# KiCad board karabas-pro-revF.kicad_pcb (continued)
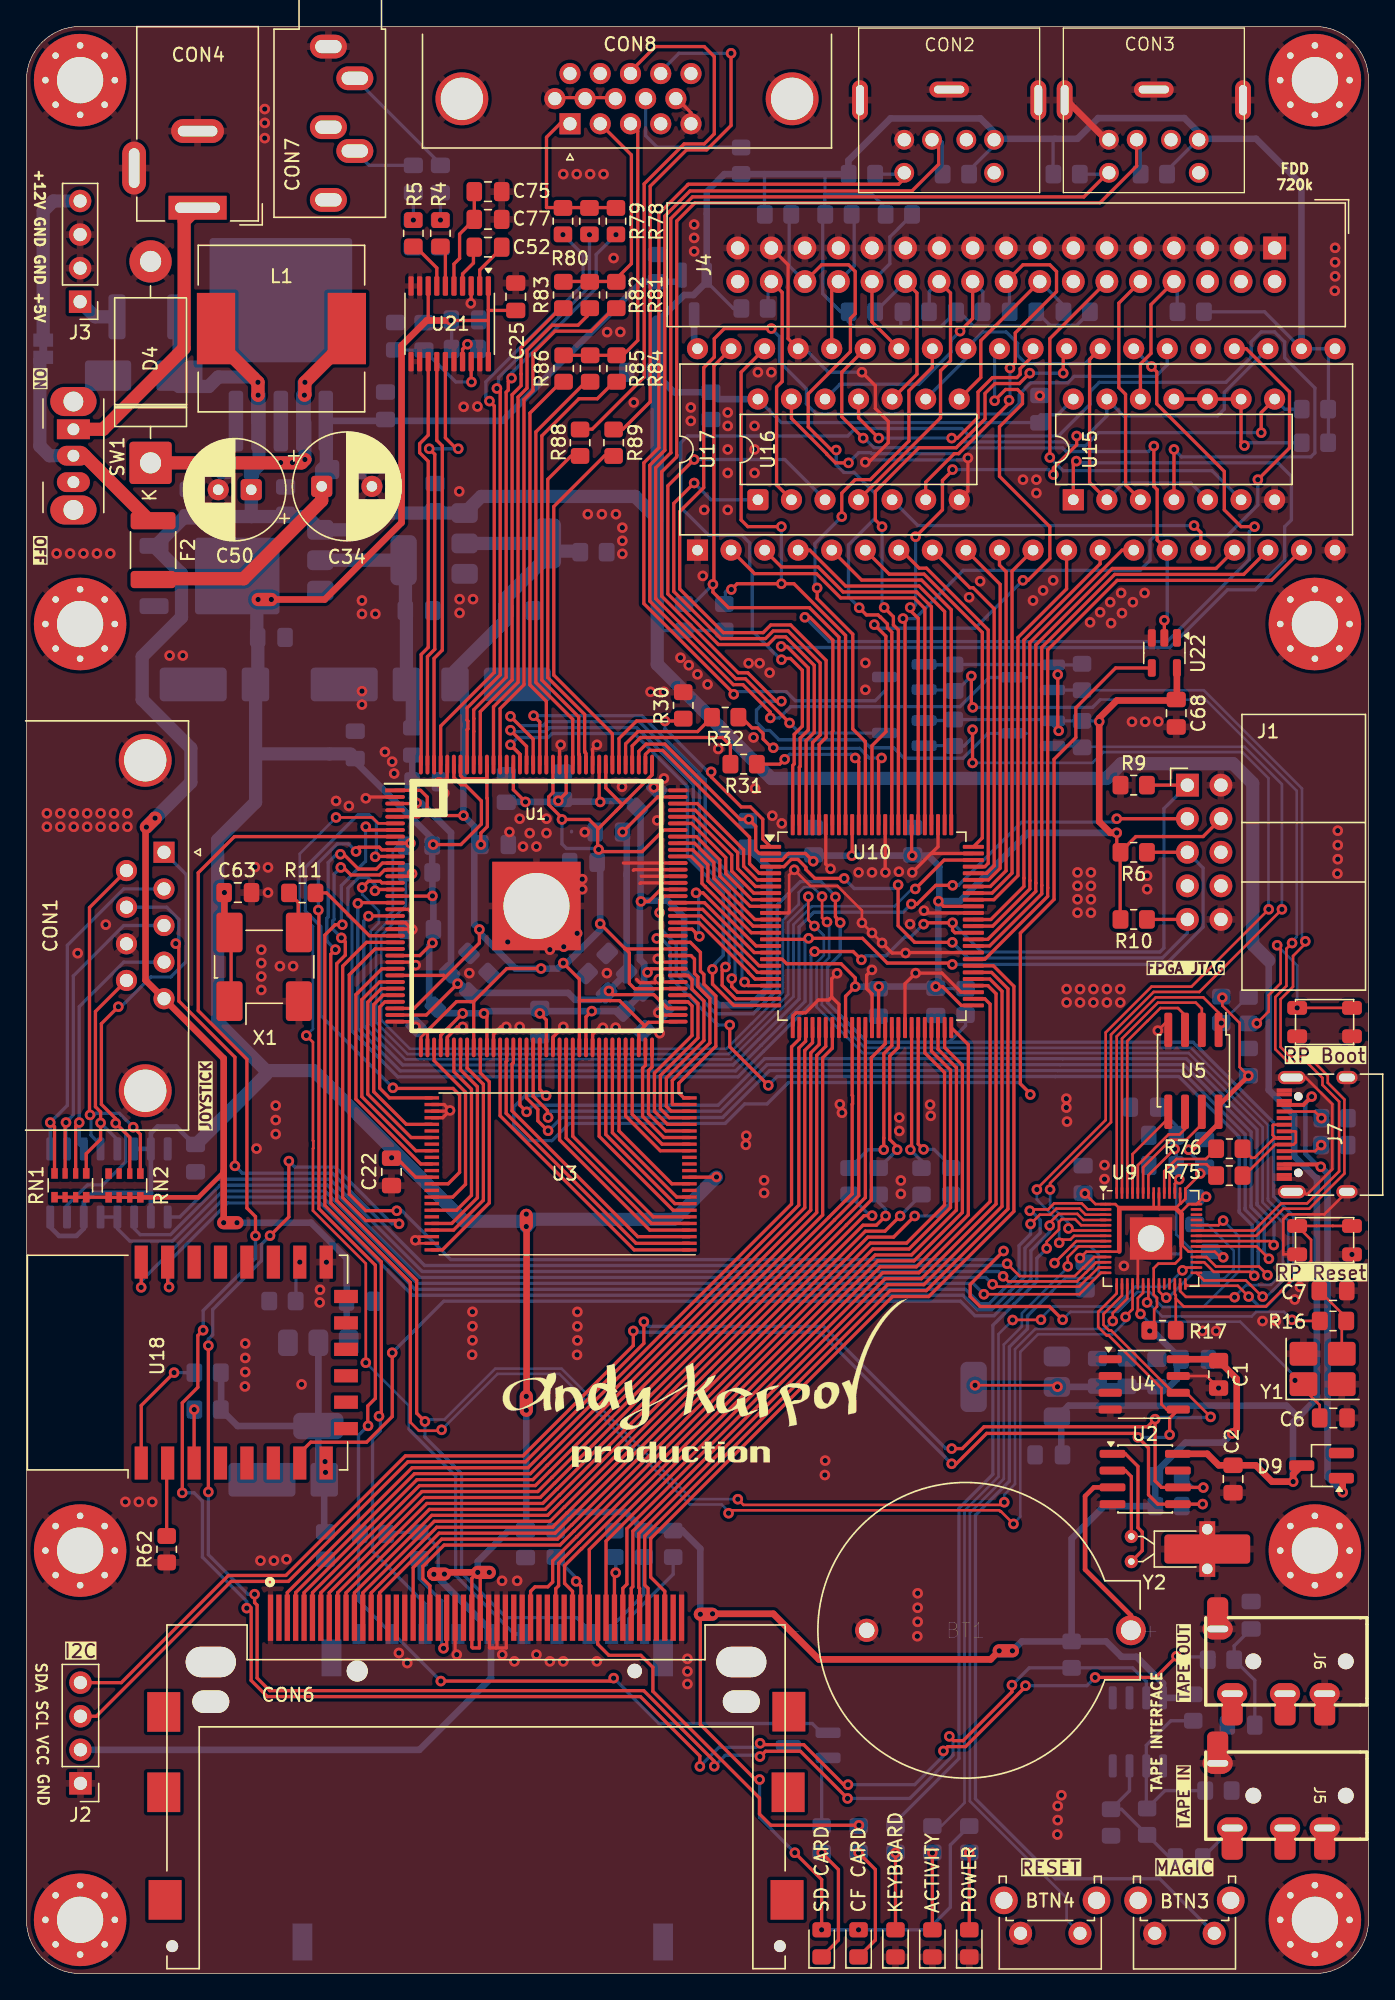
[diagram p0: board, top side]
## Footprints (pads in the part's own frame, mm; a bottom-side part is the same pattern mirrored in y, then rotated)
ALTERA-QFP-145
  rect 1.5x0.3 smd: 1(-10.7,8.75)
  oval 1.5x0.3 smd: 2(-10.7,8.25) 3(-10.7,7.75) 4(-10.7,7.25) 5(-10.7,6.75) 6(-10.7,6.25) 7(-10.7,5.75) 8(-10.7,5.25) 9(-10.7,4.75) 10(-10.7,4.25) 11(-10.7,3.75) 12(-10.7,3.25) 13(-10.7,2.75) 14(-10.7,2.25) 15(-10.7,1.75) 16(-10.7,1.25) 17(-10.7,0.75) 18(-10.7,0.25) 19(-10.7,-0.25) 20(-10.7,-0.75) 21(-10.7,-1.25) 22(-10.7,-1.75) 23(-10.7,-2.25) 24(-10.7,-2.75) 25(-10.7,-3.25) 26(-10.7,-3.75) 27(-10.7,-4.25) 28(-10.7,-4.75) 29(-10.7,-5.25) 30(-10.7,-5.75) 31(-10.7,-6.25) 32(-10.7,-6.75) 33(-10.7,-7.25) 34(-10.7,-7.75) 35(-10.7,-8.25) 36(-10.7,-8.75) 73(10.7,-8.75) 74(10.7,-8.25) 75(10.7,-7.75) 76(10.7,-7.25) 77(10.7,-6.75) 78(10.7,-6.25) 79(10.7,-5.75) 80(10.7,-5.25) 81(10.7,-4.75) 82(10.7,-4.25) 83(10.7,-3.75) 84(10.7,-3.25) 85(10.7,-2.75) 86(10.7,-2.25) 87(10.7,-1.75) 88(10.7,-1.25) 89(10.7,-0.75) 90(10.7,-0.25) 91(10.7,0.25) 92(10.7,0.75) 93(10.7,1.25) 94(10.7,1.75) 95(10.7,2.25) 96(10.7,2.75) 97(10.7,3.25) 98(10.7,3.75) 99(10.7,4.25) 100(10.7,4.75) 101(10.7,5.25) 102(10.7,5.75) 103(10.7,6.25) 104(10.7,6.75) 105(10.7,7.25) 106(10.7,7.75) 107(10.7,8.25) 108(10.7,8.75)
  oval 0.3x1.5 smd: 37(-8.75,-10.7) 38(-8.25,-10.7) 39(-7.75,-10.7) 40(-7.25,-10.7) 41(-6.75,-10.7) 42(-6.25,-10.7) 43(-5.75,-10.7) 44(-5.25,-10.7) 45(-4.75,-10.7) 46(-4.25,-10.7) 47(-3.75,-10.7) 48(-3.25,-10.7) 49(-2.75,-10.7) 50(-2.25,-10.7) 51(-1.75,-10.7) 52(-1.25,-10.7) 53(-0.75,-10.7) 54(-0.25,-10.7) 55(0.25,-10.7) 56(0.75,-10.7) 57(1.25,-10.7) 58(1.75,-10.7) 59(2.25,-10.7) 60(2.75,-10.7) 61(3.25,-10.7) 62(3.75,-10.7) 63(4.25,-10.7) 64(4.75,-10.7) 65(5.25,-10.7) 66(5.75,-10.7) 67(6.25,-10.7) 68(6.75,-10.7) 69(7.25,-10.7) 70(7.75,-10.7) 71(8.25,-10.7) 72(8.75,-10.7) 109(8.75,10.7) 110(8.25,10.7) 111(7.75,10.7) 112(7.25,10.7) 113(6.75,10.7) 114(6.25,10.7) 115(5.75,10.7) 116(5.25,10.7) 117(4.75,10.7) 118(4.25,10.7) 119(3.75,10.7) 120(3.25,10.7) 121(2.75,10.7) 122(2.25,10.7) 123(1.75,10.7) 124(1.25,10.7) 125(0.75,10.7) 126(0.25,10.7) 127(-0.25,10.7) 128(-0.75,10.7) 129(-1.25,10.7) 130(-1.75,10.7) 131(-2.25,10.7) 132(-2.75,10.7) 133(-3.25,10.7) 134(-3.75,10.7) 135(-4.25,10.7) 136(-4.75,10.7) 137(-5.25,10.7) 138(-5.75,10.7) 139(-6.25,10.7) 140(-6.75,10.7) 141(-7.25,10.7) 142(-7.75,10.7) 143(-8.25,10.7) 144(-8.75,10.7)
  round 6 hole 5: 145(0,0)
  rect 6.7x6.7 smd: 145(0,0)
AUDIO_JACK_3.5MM_SMD_TRRS_rounded_mixed
  round 1.199 hole 1.199 unplated: (1.598,0) (8.598,0)
  rrect 1.6x3.2 smd: R1(6.198,3.249) R2(3.198,3.249) S(11.298,-3.249) T(10.198,3.249)
  oval 2.286x1.524 hole 1.6x0.5: R1(6.198,2.449) R2(3.198,2.449) S(11.298,-2.449) T(10.198,2.449)
BarrelJack_Wuerth_6941xx301002
  rect 4.4x1.8 hole 3.4x0.8: 1(0,0)
  oval 4x1.8 hole 3x0.8: 2(0,-5.8)
  oval 1.8x4 hole 0.8x3: 3(4.8,-3)
BAT_BS-7-BLUE
  round 2.25 hole 1.5: 1(10,0)
  round 1.755 hole 1.17: 2(-10,0)
C_0805_2012Metric_Pad1.18x1.45mm_HandSolder
  rrect 1.175x1.45 smd: 1(-1.038,0) 2(1.038,0)
CP_EIA-7343-31_Kemet-D-uni
  rrect 2.075x2.55 smd: 1(-3.112,0)
  rrect 5.075x2.55 smd: 2(1.6,0)
CP_Radial_D7.5mm_P2.50mm
  rrect 1.6x1.6 hole 0.8: 1(0,0)
  round 1.6 hole 0.8: 2(2.5,0)
CP_Radial_D8.0mm_P3.80mm
  rrect 1.6x1.6 hole 0.8: 1(0,0)
  round 1.6 hole 0.8: 2(3.8,0)
Crystal_C26-LF_D2.1mm_L6.5mm_Horizontal_1EP_style2
  round 1 hole 0.5: 1(0,0) 2(1.9,0)
  rect 1.2x1.2 hole 0.8: 3(-0.55,-5.75) 3(2.45,-5.75)
  rrect 2.2x6.5 smd: 3(0.95,-5.75)
Crystal_SMD_3225-4Pin_3.2x2.5mm_HandSoldering
  rrect 2.1x1.8 smd: 1(-1.45,-1.15) 2(1.45,-1.15) 3(1.45,1.15) 4(-1.45,1.15)
D_DO-201AD_P15.24mm_Horizontal
  rrect 3.2x3.2 hole 1.6: 1(0,0)
  round 3.2 hole 1.6: 2(15.24,0)
D_SMB_Handsoldering
  rrect 3.5x2.3 smd: 1(-2.7,0) 2(2.7,0)
DIP-14_W7.62mm
  rect 1.6x1.6 hole 0.8: 1(0,0)
  oval 1.6x1.6 hole 0.8: 2(0,-2.54) 3(0,-5.08) 4(0,-7.62) 5(0,-10.16) 6(0,-12.7) 7(0,-15.24) 8(7.62,-15.24) 9(7.62,-12.7) 10(7.62,-10.16) 11(7.62,-7.62) 12(7.62,-5.08) 13(7.62,-2.54) 14(7.62,0)
DIP-14_W7.62mm#2
  rrect 1.6x1.6 hole 0.8: 1(0,0)
  round 1.6 hole 0.8: 2(0,-2.54) 3(0,-5.08) 4(0,-7.62) 5(0,-10.16) 6(0,-12.7) 7(0,-15.24) 8(7.62,-15.24) 9(7.62,-12.7) 10(7.62,-10.16) 11(7.62,-7.62) 12(7.62,-5.08) 13(7.62,-2.54) 14(7.62,0)
DIP-40_W15.24mm
  rect 1.6x1.6 hole 0.8: 1(0,0)
  oval 1.6x1.6 hole 0.8: 2(0,-2.54) 3(0,-5.08) 4(0,-7.62) 5(0,-10.16) 6(0,-12.7) 7(0,-15.24) 8(0,-17.78) 9(0,-20.32) 10(0,-22.86) 11(0,-25.4) 12(0,-27.94) 13(0,-30.48) 14(0,-33.02) 15(0,-35.56) 16(0,-38.1) 17(0,-40.64) 18(0,-43.18) 19(0,-45.72) 20(0,-48.26) 21(15.24,-48.26) 22(15.24,-45.72) 23(15.24,-43.18) 24(15.24,-40.64) 25(15.24,-38.1) 26(15.24,-35.56) 27(15.24,-33.02) 28(15.24,-30.48) 29(15.24,-27.94) 30(15.24,-25.4) 31(15.24,-22.86) 32(15.24,-20.32) 33(15.24,-17.78) 34(15.24,-15.24) 35(15.24,-12.7) 36(15.24,-10.16) 37(15.24,-7.62) 38(15.24,-5.08) 39(15.24,-2.54) 40(15.24,0)
DSUB-9_Pins_Horizontal_P2.77x2.84mm_EdgePinOffset7.70mm_Housed_MountingHolesOffset9.12mm
  round 4 hole 3.2: 0(-6.96,-1.42) 0(18.04,-1.42)
  rect 1.6x1.6 hole 1: 1(0,0)
  round 1.6 hole 1: 2(2.77,0) 3(5.54,0) 4(8.31,0) 5(11.08,0) 6(1.385,-2.84) 7(4.155,-2.84) 8(6.925,-2.84) 9(9.695,-2.84)
DSUB-15-HD_Socket_Horizontal_P2.29x1.90mm_EdgePinOffset3.03mm_Housed_MountingHolesOffset4.94mm
  round 4 hole 3.2: 0(-16.815,-1.89) 0(8.185,-1.89)
  rect 1.6x1.6 hole 1: 1(0,0)
  round 1.6 hole 1: 2(-2.29,0) 3(-4.58,0) 4(-6.87,0) 5(-9.16,0) 6(1.145,-1.9) 7(-1.145,-1.9) 8(-3.435,-1.9) 9(-5.725,-1.9) 10(-8.015,-1.9) 11(0,-3.8) 12(-2.29,-3.8) 13(-4.58,-3.8) 14(-6.87,-3.8) 15(-9.16,-3.8)
ESP-12E
  rect 2.5x1 smd: 1(-7.6,3.5) 2(-7.6,1.5) 3(-7.6,-0.5) 4(-7.6,-2.5) 5(-7.6,-4.5) 6(-7.6,-6.5) 7(-7.6,-8.5) 8(-7.6,-10.5) 15(7.6,-10.5) 16(7.6,-8.5) 17(7.6,-6.5) 18(7.6,-4.5) 19(7.6,-2.5) 20(7.6,-0.5) 21(7.6,1.5) 22(7.6,3.5)
  rect 1x1.8 smd: 9(-5,-12) 10(-3,-12) 11(-1,-12) 12(1,-12) 13(3,-12) 14(5,-12)
Fuse_1812_4532Metric_Pad1.30x3.40mm_HandSolder
  rrect 1.3x3.4 smd: 1(-2.225,0) 2(2.225,0)
IDC-Header_2x05_P2.54mm_Horizontal
  rect 1.727x1.727 hole 1.016: 1(0,0)
  oval 1.727x1.727 hole 1.016: 2(2.54,0) 3(0,-2.54) 4(2.54,-2.54) 5(0,-5.08) 6(2.54,-5.08) 7(0,-7.62) 8(2.54,-7.62) 9(0,-10.16) 10(2.54,-10.16)
IDC-Header_2x17_P2.54mm_Vertical
  rect 1.727x1.727 hole 1.016: 1(0,0)
  oval 1.727x1.727 hole 1.016: 2(2.54,0) 3(0,-2.54) 4(2.54,-2.54) 5(0,-5.08) 6(2.54,-5.08) 7(0,-7.62) 8(2.54,-7.62) 9(0,-10.16) 10(2.54,-10.16) 11(0,-12.7) 12(2.54,-12.7) 13(0,-15.24) 14(2.54,-15.24) 15(0,-17.78) 16(2.54,-17.78) 17(0,-20.32) 18(2.54,-20.32) 19(0,-22.86) 20(2.54,-22.86) 21(0,-25.4) 22(2.54,-25.4) 23(0,-27.94) 24(2.54,-27.94) 25(0,-30.48) 26(2.54,-30.48) 27(0,-33.02) 28(2.54,-33.02) 29(0,-35.56) 30(2.54,-35.56) 31(0,-38.1) 32(2.54,-38.1) 33(0,-40.64) 34(2.54,-40.64)
Jack_3.5mm_CUI_SJ1-3535NG_Horizontal
  oval 2.8x1.8 hole 2x1: R(2,-7.9) RN(0,-6.1) S(0,0) T(2,-2.4) TN(0,-11.6)
L_12x12mm_H6mm
  rect 2.9x5.4 smd: 1(-4.95,0) 2(4.95,0)
L_0805_2012Metric_Pad1.15x1.40mm_HandSolder
  rrect 1.15x1.4 smd: 1(-1.025,0) 2(1.025,0)
LED_0805_2012Metric_Pad1.15x1.40mm_HandSolder
  rrect 1.15x1.4 smd: 1(-1.025,0) 2(1.025,0)
LQFP-100_14x14mm_P0.5mm
  rrect 1.6x0.3 smd: 1(-7.675,6) 2(-7.675,5.5) 3(-7.675,5) 4(-7.675,4.5) 5(-7.675,4) 6(-7.675,3.5) 7(-7.675,3) 8(-7.675,2.5) 9(-7.675,2) 10(-7.675,1.5) 11(-7.675,1) 12(-7.675,0.5) 13(-7.675,0) 14(-7.675,-0.5) 15(-7.675,-1) 16(-7.675,-1.5) 17(-7.675,-2) 18(-7.675,-2.5) 19(-7.675,-3) 20(-7.675,-3.5) 21(-7.675,-4) 22(-7.675,-4.5) 23(-7.675,-5) 24(-7.675,-5.5) 25(-7.675,-6) 51(7.675,-6) 52(7.675,-5.5) 53(7.675,-5) 54(7.675,-4.5) 55(7.675,-4) 56(7.675,-3.5) 57(7.675,-3) 58(7.675,-2.5) 59(7.675,-2) 60(7.675,-1.5) 61(7.675,-1) 62(7.675,-0.5) 63(7.675,0) 64(7.675,0.5) 65(7.675,1) 66(7.675,1.5) 67(7.675,2) 68(7.675,2.5) 69(7.675,3) 70(7.675,3.5) 71(7.675,4) 72(7.675,4.5) 73(7.675,5) 74(7.675,5.5) 75(7.675,6)
  rrect 0.3x1.6 smd: 26(-6,-7.675) 27(-5.5,-7.675) 28(-5,-7.675) 29(-4.5,-7.675) 30(-4,-7.675) 31(-3.5,-7.675) 32(-3,-7.675) 33(-2.5,-7.675) 34(-2,-7.675) 35(-1.5,-7.675) 36(-1,-7.675) 37(-0.5,-7.675) 38(0,-7.675) 39(0.5,-7.675) 40(1,-7.675) 41(1.5,-7.675) 42(2,-7.675) 43(2.5,-7.675) 44(3,-7.675) 45(3.5,-7.675) 46(4,-7.675) 47(4.5,-7.675) 48(5,-7.675) 49(5.5,-7.675) 50(6,-7.675) 76(6,7.675) 77(5.5,7.675) 78(5,7.675) 79(4.5,7.675) 80(4,7.675) 81(3.5,7.675) 82(3,7.675) 83(2.5,7.675) 84(2,7.675) 85(1.5,7.675) 86(1,7.675) 87(0.5,7.675) 88(0,7.675) 89(-0.5,7.675) 90(-1,7.675) 91(-1.5,7.675) 92(-2,7.675) 93(-2.5,7.675) 94(-3,7.675) 95(-3.5,7.675) 96(-4,7.675) 97(-4.5,7.675) 98(-5,7.675) 99(-5.5,7.675) 100(-6,7.675)
MINI_DIN_6_33PRIMARY
  round 1.5 hole 1: 1(-1.3,-2.225) 2(1.3,-2.225) 3(-3.4,-2.225) 4(3.4,-2.225) 5(-3.4,-4.725) 6(3.4,-4.725)
  oval 1.2x3 hole 0.6x2.3: GND(-6.75,0.775) GND(6.75,0.775)
  oval 3x1.2 hole 2.3x0.6: GND(0,1.575)
MountingHole_3.5mm_Pad_Via
  round 0.8 hole 0.5: 1(-2.625,0) 1(-1.856,1.856) 1(-1.856,-1.856) 1(0,2.625) 1(0,-2.625) 1(1.856,1.856) 1(1.856,-1.856) 1(2.625,0)
  round 7 hole 3.5: 1(0,0)
Oscillator_SMD_SeikoEpson_SG8002CA-4Pin_7.0x5.0mm_HandSoldering
  rrect 1.98x3 smd: 1(-2.63,-2.6) 2(2.63,-2.6) 3(2.63,2.6) 4(-2.63,2.6)
PinHeader_1x04_P2.54mm_Vertical
  rect 1.7x1.7 hole 1: 1(0,0)
  oval 1.7x1.7 hole 1: 2(0,-2.54) 3(0,-5.08) 4(0,-7.62)
PinHeader_1x04_P2.54mm_Vertical#2
  rect 1.7x1.7 hole 1: 1(0,0)
  round 1.7 hole 1: 2(0,-2.54) 3(0,-5.08) 4(0,-7.62)
QFN-56-1EP_7x7mm_P0.4mm_EP3.2x3.2mm_ThermalViaBig
  rrect 1.24x1.24 smd: (-0.8,0.8) (-0.8,-0.8) (0.8,0.8) (0.8,-0.8)
  rrect 0.875x0.2 smd: 1(-3.438,2.6) 2(-3.438,2.2) 3(-3.438,1.8) 4(-3.438,1.4) 5(-3.438,1) 6(-3.438,0.6) 7(-3.438,0.2) 8(-3.438,-0.2) 9(-3.438,-0.6) 10(-3.438,-1) 11(-3.438,-1.4) 12(-3.438,-1.8) 13(-3.438,-2.2) 14(-3.438,-2.6) 29(3.438,-2.6) 30(3.438,-2.2) 31(3.438,-1.8) 32(3.438,-1.4) 33(3.438,-1) 34(3.438,-0.6) 35(3.438,-0.2) 36(3.438,0.2) 37(3.438,0.6) 38(3.438,1) 39(3.438,1.4) 40(3.438,1.8) 41(3.438,2.2) 42(3.438,2.6)
  rrect 0.2x0.875 smd: 15(-2.6,-3.438) 16(-2.2,-3.438) 17(-1.8,-3.438) 18(-1.4,-3.438) 19(-1,-3.438) 20(-0.6,-3.438) 21(-0.2,-3.438) 22(0.2,-3.438) 23(0.6,-3.438) 24(1,-3.438) 25(1.4,-3.438) 26(1.8,-3.438) 27(2.2,-3.438) 28(2.6,-3.438) 43(2.6,3.438) 44(2.2,3.438) 45(1.8,3.438) 46(1.4,3.438) 47(1,3.438) 48(0.6,3.438) 49(0.2,3.438) 50(-0.2,3.438) 51(-0.6,3.438) 52(-1,3.438) 53(-1.4,3.438) 54(-1.8,3.438) 55(-2.2,3.438) 56(-2.6,3.438)
  round 3 hole 2: 57(0,0)
  rect 3.2x3.2 smd: 57(0,0)
  rect 3.2x3.2 smd far side: 57(0,0)
R_0805_2012Metric_Pad1.20x1.40mm_HandSolder
  rrect 1.2x1.4 smd: 1(-1,0) 2(1,0)
R_Array_Convex_4x0603
  rect 0.8x0.5 smd: 1(-0.9,1.2) 4(-0.9,-1.2) 5(0.9,-1.2) 8(0.9,1.2)
  rect 0.8x0.4 smd: 2(-0.9,0.4) 3(-0.9,-0.4) 6(0.9,-0.4) 7(0.9,0.4)
SD_TE_2041021-mod
  round 1.1 hole 1.1 unplated: (-11.5,9.175)
  round 1.6 hole 1.6 unplated: (9.5,9.175)
  rect 1x1.5 smd: 1(6.875,11.975) 2(4.375,11.975) 3(1.875,11.975) 4(-0.625,11.975) 5(-3.125,11.975) 6(-5.625,11.975) 7(-8.055,11.975) 8(-9.755,11.975) 9(9.375,11.975)
  rect 0.7x1.5 smd: 10(-11.055,11.975) 11(-12.255,11.975)
  rect 1.5x2.8 smd: 12(-13.65,10.175) 12(11.45,10.175) 13(-13.65,-11.325) 13(13.65,-11.325)
SO-8_3.9x4.9mm_P1.27mm
  rrect 1.75x0.6 smd: 1(-2.575,1.905) 2(-2.575,0.635) 3(-2.575,-0.635) 4(-2.575,-1.905) 5(2.575,-1.905) 6(2.575,-0.635) 7(2.575,0.635) 8(2.575,1.905)
SO-16_3.9x9.9mm_P1.27mm
  rrect 1.75x0.6 smd: 1(-2.575,4.445) 2(-2.575,3.175) 3(-2.575,1.905) 4(-2.575,0.635) 5(-2.575,-0.635) 6(-2.575,-1.905) 7(-2.575,-3.175) 8(-2.575,-4.445) 9(2.575,-4.445) 10(2.575,-3.175) 11(2.575,-1.905) 12(2.575,-0.635) 13(2.575,0.635) 14(2.575,1.905) 15(2.575,3.175) 16(2.575,4.445)
SOIC-8_3.9x4.9mm_P1.27mm
  rrect 1.95x0.6 smd: 1(-2.475,1.905) 2(-2.475,0.635) 3(-2.475,-0.635) 4(-2.475,-1.905) 5(2.475,-1.905) 6(2.475,-0.635) 7(2.475,0.635) 8(2.475,1.905)
SOIC-8_5.23x5.23mm_P1.27mm-LONG
  rrect 2.6x0.6 smd: 1(-3.1,1.905) 2(-3.1,0.635) 3(-3.1,-0.635) 4(-3.1,-1.905) 5(3.1,-1.905) 6(3.1,-0.635) 7(3.1,0.635) 8(3.1,1.905)
SolderJumper-2_P1.3mm_Bridged_Pad1.0x1.5mm
  rect 1x1.5 smd: 1(-0.65,0) 2(0.65,0)
SOT-23-5
  rrect 1.325x0.6 smd: 1(-1.137,0.95) 2(-1.137,0) 3(-1.137,-0.95) 4(1.137,-0.95) 5(1.137,0.95)
SOT-23_Handsoldering
  rrect 1.9x0.8 smd: 1(-1.5,0.95) 2(-1.5,-0.95) 3(1.5,0)
SOT-223-3_TabPin2
  rrect 2x1.5 smd: 1(-3.15,2.3) 2(-3.15,0) 3(-3.15,-2.3)
  rrect 2x3.8 smd: 2(3.15,0)
SW_Slide_SPDT_Angled_CK_OS102011MA1Q
  oval 2.2x3.5 hole 1.5: (-2.1,0) (6.1,0)
  rect 1.5x2.5 hole 0.9: 1(0,0)
  oval 1.5x2.5 hole 0.9: 2(2,0) 3(4,0)
SW_SPST_PTS810_handsoldering
  rrect 1.5x1.05 smd: 1(-2.075,1.075) 1(2.075,1.075) 2(-2.075,-1.075) 2(2.075,-1.075)
SW_Tactile_SPST_Angled_PTS645Vx58-2LFS
  round 2.1 hole 1.3: (-1.25,-2.49) (5.76,-2.49)
  round 1.75 hole 0.99: 1(0,0) 2(4.5,0)
TE_1734451-1-LONG
  round 0.9 hole 0.9 unplated: (-23,-24.85) (23,-24.85)
  oval 3.8x2.3 hole 3.8x2.3 unplated: (-20.08,-3.35) (20.08,-3.35)
  oval 2.8x1.7 hole 2.8x1.7 unplated: (-20.08,-6.35) (20.08,-6.35)
  rect 0.4x3.5 smd: 1(-15.557,0) 2(-14.287,0) 3(-13.018,0) 4(-11.748,0) 5(-10.477,0) 6(-9.207,0) 7(-7.938,0) 8(-6.668,0) 9(-5.397,0) 10(-4.128,0) 11(-2.857,0) 12(-1.587,0) 13(-0.318,0) 14(0.953,0) 15(2.223,0) 16(3.493,0) 17(4.763,0) 18(6.032,0) 19(7.303,0) 20(8.572,0) 21(9.842,0) 22(11.113,0) 23(12.383,0) 24(13.652,0) 25(14.922,0) 26(-14.922,0) 27(-13.652,0) 28(-12.383,0) 29(-11.113,0) 30(-9.842,0) 31(-8.572,0) 32(-7.303,0) 33(-6.032,0) 34(-4.763,0) 35(-3.493,0) 36(-2.223,0) 37(-0.953,0) 38(0.318,0) 39(1.587,0) 40(2.857,0) 41(4.128,0) 42(5.397,0) 43(6.668,0) 44(7.938,0) 45(9.207,0) 46(10.477,0) 47(11.748,0) 48(13.018,0) 49(14.287,0) 50(15.557,0)
  rect 2.5x3 smd: S1(-23.64,-7.13) S1(-23.64,-13.208) S1(-23.54,-21.35) S1(23.622,-13.208) S1(23.68,-7.11) S2(23.54,-21.35)
TO-252-2
  rrect 3.05x2.75 smd: (-0.415,-1.525) (-0.415,1.525) (2.935,-1.525) (2.935,1.525)
  rrect 2.2x1.2 smd: 1(-5.04,2.28) 3(-5.04,-2.28)
  rrect 6.4x5.8 smd: 2(1.26,0)
TO-263-5_TabPin3
  rrect 4.55x5.25 smd: (-0.925,-2.775) (-0.925,2.775) (3.925,-2.775) (3.925,2.775)
  rrect 4.6x1.1 smd: 1(-7.65,3.4) 2(-7.65,1.7) 3(-7.65,0) 4(-7.65,-1.7) 5(-7.65,-3.4)
  rrect 9.4x10.8 smd: 3(1.5,0)
TSOP-I-48_18.4x12mm_P0.5mm
  rect 1.1x0.25 smd: 1(-9.75,5.75) 2(-9.75,5.25) 3(-9.75,4.75) 4(-9.75,4.25) 5(-9.75,3.75) 6(-9.75,3.25) 7(-9.75,2.75) 8(-9.75,2.25) 9(-9.75,1.75) 10(-9.75,1.25) 11(-9.75,0.75) 12(-9.75,0.25) 13(-9.75,-0.25) 14(-9.75,-0.75) 15(-9.75,-1.25) 16(-9.75,-1.75) 17(-9.75,-2.25) 18(-9.75,-2.75) 19(-9.75,-3.25) 20(-9.75,-3.75) 21(-9.75,-4.25) 22(-9.75,-4.75) 23(-9.75,-5.25) 24(-9.75,-5.75) 25(9.75,-5.75) 26(9.75,-5.25) 27(9.75,-4.75) 28(9.75,-4.25) 29(9.75,-3.75) 30(9.75,-3.25) 31(9.75,-2.75) 32(9.75,-2.25) 33(9.75,-1.75) 34(9.75,-1.25) 35(9.75,-0.75) 36(9.75,-0.25) 37(9.75,0.25) 38(9.75,0.75) 39(9.75,1.25) 40(9.75,1.75) 41(9.75,2.25) 42(9.75,2.75) 43(9.75,3.25) 44(9.75,3.75) 45(9.75,4.25) 46(9.75,4.75) 47(9.75,5.25) 48(9.75,5.75)
TSSOP-20_4.4x6.5mm_P0.65mm
  rrect 1.475x0.4 smd: 1(-2.862,2.925) 2(-2.862,2.275) 3(-2.862,1.625) 4(-2.862,0.975) 5(-2.862,0.325) 6(-2.862,-0.325) 7(-2.862,-0.975) 8(-2.862,-1.625) 9(-2.862,-2.275) 10(-2.862,-2.925) 11(2.862,-2.925) 12(2.862,-2.275) 13(2.862,-1.625) 14(2.862,-0.975) 15(2.862,-0.325) 16(2.862,0.325) 17(2.862,0.975) 18(2.862,1.625) 19(2.862,2.275) 20(2.862,2.925)
USB_C_Receptacle_XKB_U262-16XN-4BVC11
  round 0.65 hole 0.65 unplated: (-2.89,2.605) (2.89,2.605)
  rect 0.3x1.15 smd: A1(-3.35,3.67) A4(-2.55,3.67) A5(-1.25,3.67) A6(-0.25,3.67) A7(0.25,3.67) A8(1.25,3.67) A9(2.55,3.67) A12(3.35,3.67) B1(3.05,3.67) B4(2.25,3.67) B5(1.75,3.67) B6(0.75,3.67) B7(-0.75,3.67) B8(-1.75,3.67) B9(-2.25,3.67) B12(-3.05,3.67)
  oval 1x2.1 hole 0.6x1.7: S1(-4.32,3.105) S1(4.32,3.105)
  oval 1x1.6 hole 0.6x1.2: S1(-4.32,-1.075) S1(4.32,-1.075)

## Nets
+3.3VP: C3.2 C11.1 C12.1 C13.1 C14.1 C15.1 C16.1 C17.1 C18.1 C19.1 R12.1 R17.2 U5.8 U7.2 U9.1 U9.10 U9.22 U9.33 U9.42 U9.43 U9.44 U9.48 U9.49
+12V: C20.1 C24.1 C34.1 C38.1 D8.1 F2.2 U11.1
/interfaces/VCC3_3_ESP: C72.1 C74.1 R61.2 R63.2 U18.8 U19.2
GND: BT1.2 BTN1.2 BTN2.2 BTN3.2 BTN4.2 C1.2 C2.2 C3.1 C4.2 C5.2 C6.2 C7.2 C8.2 C9.2 C10.2 C11.2 C12.2 C13.2 C14.2 C15.2 C16.2 C17.2 C18.2 C19.2 C20.2 C21.2 C22.2 C23.2 C24.2 C25.2 C27.2 C28.2 C30.2 C31.1 C32.2 C33.2 C34.2 C35.2 C36.2 C37.2 C38.2 C39.2 C40.2 C41.2 C42.2 C43.2 C44.2 C45.2 C46.2 C47.2 C48.1 C49.2 C50.2 C51.2 C53.2 C54.2 C55.2 C56.2 C57.2 C58.2 C59.2 C60.2 C61.2 C62.2 C63.2 C64.2 C65.2 C66.2 C67.2 C68.2 C69.2 C72.2 C73.1 C74.2 C75.1 C76.2 C77.1 C78.1 C79.1 CON1.0 CON1.8 CON2.3 CON2.GND CON3.3 CON3.GND CON4.2 CON4.3 CON5.3 CON5.6 CON5.12 CON5.13 CON6.1 CON6.8 CON6.9 CON6.10 CON6.11 CON6.12 CON6.14 CON6.15 CON6.16 CON6.17 CON6.39 CON6.50 CON7.S CON8.0 CON8.5 CON8.6 CON8.7 CON8.8 CON8.10 D1.1 D2.1 D3.1 D4.2 D5.2 H1.1 H2.1 H3.1 H4.1 H5.1 H6.1 H7.1 H8.1 J1.2 J1.10 J2.1 J3.2 J3.3 J4.1 J4.3 J4.5 J4.7 J4.9 J4.11 J4.13 J4.15 J4.17 J4.19 J4.21 J4.23 J4.25 J4.27 J4.29 J4.31 J4.33 J5.R2 J5.S J6.R2 J6.S J7.A1 J7.A12 J7.B1 J7.B12 J7.S1 Q5.3 R9.1 R30.2 R33.1 R45.2 R62.1 R64.2 R68.2 R69.1 R74.2 R77.2 U1.2 U1.4 U1.19 U1.21 U1.22 U1.27 U1.36 U1.41 U1.48 U1.57 U1.63 U1.74 U1.79 U1.82 U1.94 U1.95 U1.96 U1.97 U1.108 U1.118 U1.123 U1.131 U1.140 U1.145 U2.4 U3.26 U3.27 U3.28 U3.46 U3.47 U4.1 U4.2 U4.3 U4.4 U4.7 U5.4 U7.1 U8.8 U9.19 U9.57 U10.11 U10.26 U10.33 U10.38 U10.43 U10.53 U10.59 U10.65 U10.74 U10.78 U10.86 U10.95 U11.3 U11.5 U12.1 U13.1 U14.1 U15.7 U16.7 U17.1 U17.20 U17.37 U18.15 U19.1 U20.1 U20.4 U21.3 U21.9 U21.10 U21.11 U21.12 U21.16 U21.19 U22.3 X1.2 Y1.2 Y1.4 Y2.3
VBat: BT1.1 U2.3
VBUS: D9.1 J7.A4 J7.A9 J7.B4 J7.B9
VCC: C2.1 C4.1 C21.1 C35.1 C39.1 C42.1 C44.1 C47.1 C50.1 C51.1 C76.1 CON1.5 CON2.4 CON3.4 D5.1 D8.2 D9.3 F1.2 L1.2 R22.2 R23.2 R24.2 R25.2 R46.1 R47.1 R48.1 R49.1 R50.1 R51.1 R52.1 R53.1 R54.1 R56.2 R57.2 R58.2 R59.2 R60.2 R87.1 RN1.1 RN1.2 RN1.3 RN1.4 RN2.1 RN2.2 RN2.3 RN2.4 U2.8 U7.3 U11.4 U12.3 U13.3 U14.3 U15.14 U16.14 U17.21 U17.22 U19.3
VCC1_2: C46.1 C49.1 C53.1 C55.1 R33.2 U1.1 U1.5 U1.29 U1.34 U1.37 U1.38 U1.45 U1.61 U1.70 U1.73 U1.78 U1.84 U1.102 U1.109 U1.116 U1.124 U1.134 U1.138 U14.2
VCC2_5: C23.1 C27.1 C30.1 C33.1 C36.1 C40.1 FB1.2 U1.3 U1.35 U1.75 U1.107
VCC3_3: C1.1 C9.1 C22.1 C25.1 C28.1 C32.1 C37.1 C41.1 C43.1 C45.1 C54.1 C56.1 C57.1 C59.1 C61.1 C62.1 C63.1 C64.1 C65.1 C66.1 C67.1 C68.1 C69.1 CON5.4 CON6.13 CON6.38 D6.2 D7.2 J1.4 J2.2 Q1.1 Q2.1 Q3.1 Q4.1 R1.2 R2.2 R3.2 R6.2 R7.1 R10.2 R14.2 R15.2 R18.2 R19.2 R20.2 R21.2 R28.1 R29.2 R34.2 R35.1 R38.2 R39.1 R40.1 R67.1 R70.1 U1.17 U1.26 U1.40 U1.47 U1.56 U1.62 U1.81 U1.93 U1.117 U1.122 U1.130 U1.139 U3.12 U3.37 U4.8 U8.6 U8.7 U8.10 U8.14 U8.16 U10.3 U10.18 U10.34 U10.39 U10.51 U10.66 U10.82 U10.91 U12.2 U20.8 U21.1 U21.8 U21.20 U22.5 X1.1 X1.4
/interfaces/B: CON8.3 R84.2 R85.2 R86.2
/interfaces/D+: J7.A6 J7.B6 R76.1
/interfaces/D-: J7.A7 J7.B7 R75.1
/interfaces/G: CON8.2 R81.2 R82.2 R83.2
/interfaces/HS: CON8.13 R88.1
/interfaces/R: CON8.1 R78.2 R79.2 R80.2
/interfaces/VS: CON8.14 R89.1
/mcu/L1: D1.2 R26.2
/mcu/L2: D2.2 R27.2
/mcu/L3: D3.2 R28.2
/storage/L4: D6.1 R36.2
/storage/L5: D7.1 R37.2
BTN1: BTN3.1 U9.8
BTN2: BTN4.1 U9.9
CLK_50MHZ: R11.2 U1.23
CONF_DONE: R1.1 U1.92 U9.28
CPLD_CLK: R32.2 U1.113
CPLD_CLK2: R31.2 U1.112
D0: U10.72 U17.7
D1: U10.71 U17.8
D2: U10.70 U17.9
D3: U10.69 U17.10
D4: U10.68 U17.11
D5: U10.67 U17.12
D6: U10.64 U17.13
D7: U10.63 U17.14
DATA0: CON5.7 U1.13 U9.17
DCLK: U1.12 U9.18
FDC_A0: U10.76 U17.5
FDC_A1: U10.75 U17.6
FDC_CLK: U10.83 U17.24
FDC_DIR: U16.5 U17.16
FDC_DRQ: R60.1 U10.92 U17.38
FDC_DS0: U10.99 U15.1
FDC_DS1: U10.100 U15.4
FDC_HLT: U10.81 U15.13 U17.23
FDC_INTRQ: R59.1 U10.93 U17.39
FDC_IP: R48.2 U15.8 U17.35
FDC_RCLK: U10.96 U17.26
FDC_RDY: U15.2 U15.5 U16.9 U17.28 U17.32
FDC_SIDE: J4.32 R54.2 U16.2
FDC_SL: U10.61 U17.17
FDC_SR: U10.60 U17.18
FDC_STEP: U16.13 U17.15 U22.2
FDC_TR43: U10.84 U17.29
FDC_WD: U10.88 U17.31
FDC_WDATA: U10.98 U16.3
FDC_WF_DE: U10.89 U17.33
FDC_WGATE: U16.11 U17.30
I2C_SCL: J2.3 R14.1 U2.6 U4.6 U9.16
I2C_SDA: J2.4 R15.1 U2.5 U4.5 U9.15
JOY_DATA: U8.9 U9.12
JOY_L_P1: CON1.1 RN2.6 U8.15
JOY_L_P2: CON1.2 RN1.8 U8.1
JOY_L_P3: CON1.3 RN1.7 U8.2
JOY_L_P4: CON1.4 RN1.6 U8.3
JOY_L_P6: CON1.6 RN2.5 U8.4
JOY_L_P9: CON1.9 RN1.5 U8.5
JOY_LOAD: U8.12 U8.13 U9.14
JOY_P7: CON1.7 U9.11
JOY_SCK: U8.11 U9.13
LED1: R26.1 U9.5
LED2: R27.1 U9.30
LED_BUSY: CON6.45 R37.1
LFDC_STEP: U1.55 U22.4
LSND_BS: U1.144 U21.13
LSND_DAT: U1.142 U21.14
LSND_WS: U1.143 U21.15
MA0: U1.33 U3.25
MA1: U1.85 U3.24
MA2: U1.83 U3.23
MA3: U1.80 U3.22
MA4: U1.77 U3.21
MA5: U1.76 U3.20
MA6: U1.72 U3.19
MA7: U1.71 U3.18
MA8: U1.65 U3.8
MA9: U1.64 U3.7
MA10: U1.60 U3.6
MA11: U1.59 U3.5
MA12: U1.58 U3.4
MA13: U1.51 U3.3
MA14: U1.50 U3.2
MA15: U1.49 U3.1
MA16: U1.46 U3.48
MA17: U1.69 U3.17
MA18: U1.68 U3.16
MA19: U1.66 U3.9
MA20: U1.44 U3.45
MCU_CS: U1.53 U9.32
MCU_MISO: U1.86 U9.31
MCU_MOSI: U1.52 U9.35
MCU_SCK: U1.54 U9.34
MD0: U1.32 U3.29
MD1: U1.31 U3.31
MD2: U1.30 U3.33
MD3: U1.28 U3.35
MD4: U1.11 U3.38
MD5: U1.39 U3.40
MD6: U1.42 U3.42
MD7: U1.43 U3.44
NCONFIG: R2.1 U1.14 U9.29
NSTATUS: R3.1 U1.9 U9.27
PS2_KB_CLK: Q1.2 R18.1 U9.37
PS2_KB_DATA: Q2.2 R20.1 U9.36
PS2_MS_CLK: Q3.2 R19.1 U9.7
PS2_MS_DATA: Q4.2 R21.1 U9.6
QSPI_CLK: U5.6 U9.52
QSPI_D0: U5.5 U9.53
QSPI_D1: U5.2 U9.55
QSPI_D2: U5.3 U9.54
QSPI_D3: U5.7 U9.51
RP_RESET: BTN2.1 R17.1 U9.26
SA0: U1.110 U10.5
SA1: U1.106 U10.6
SD0: U1.105 U10.7
SD1: U1.104 U10.8
SD2: U1.103 U10.9
SD3: U1.101 U10.10
SD4: U1.100 U10.12
SD5: U1.99 U10.13
SD6: U1.98 U10.14
SD7: U1.87 U10.16
SD8: U1.91 U10.17
SD9: U1.90 U10.19
SD10: U1.89 U10.20
SD11: U1.88 U10.21
SD12: U1.126 U10.22
SD13: U1.127 U10.23
SD14: U1.128 U10.24
SD15: U1.129 U10.25
SD_DI: CON5.2 U1.7
SD_SCK: CON5.5 U1.6
SDIR: R29.1 U1.111 U10.2
SND_L: C26.1 CON7.T
SND_R: C29.1 CON7.R
SWCLK: U9.24
SWDIO: U9.25
TAPE_IN: R70.2 U1.24 U20.7
TAPE_OUT: R66.2 U1.8
TCK: J1.1 R9.2 U1.16 U10.62
TDI: J1.9 R10.1 U10.4
TDI1: U1.15 U10.73
TDO: J1.3 U1.20
TMS: J1.5 R6.1 U1.18 U10.15
UART_CTS: U9.4 U18.7
UART_RX: U9.3 U18.22
UART_TX: U9.2 U18.21
USB_D+: R76.2 U9.47
USB_D-: R75.2 U9.46
VGA_B0: R84.1 U1.120
VGA_B1: R85.1 U1.121
VGA_B2: R86.1 U1.125
VGA_G0: R81.1 U1.132
VGA_G1: R82.1 U1.133
VGA_G2: R83.1 U1.135
VGA_HS: R88.2 U1.119
VGA_R0: R78.1 U1.136
VGA_R1: R79.1 U1.137
VGA_R2: R80.1 U1.141
VGA_VS: R89.2 U1.115
WA0: CON6.20 U10.49
WA1: CON6.19 U10.48
WA2: CON6.18 U10.47
WD0: CON6.21 U10.50
WD1: CON6.22 U10.52
WD2: CON6.23 U10.55
WD3: CON6.2 U10.27
WD4: CON6.3 U10.29
WD5: CON6.4 U10.31
WD6: CON6.5 U10.35
WD7: CON6.6 U10.37
WD8: CON6.47 U10.54
WD9: CON6.48 U10.56
WD10: CON6.49 U10.57
WD11: CON6.27 U10.28
WD12: CON6.28 U10.30
WD13: CON6.29 U10.32
WD14: CON6.30 U10.36
WD15: CON6.31 U10.40
~{ESP_BOOT}: U18.18
~{ESP_RESET}: R63.1 U18.1
~{FDC_CS}: U10.79 U17.3
~{FDC_DIR}: J4.18 R50.2 U16.6
~{FDC_DRIVE0}: J4.10 U15.3
~{FDC_DRIVE1}: J4.12 U15.6
~{FDC_INDEX}: J4.8 R46.2 U15.12
~{FDC_MOTOR}: J4.16 R49.2 U16.8
~{FDC_RAWR}: U10.94 U17.27
~{FDC_RDATA}: J4.30 R56.1 U10.85
~{FDC_RST}: U10.58 U17.19
~{FDC_SIDE}: U10.97 U16.1
~{FDC_STEP}: J4.20 R51.2 U16.12
~{FDC_TR00}: J4.26 R58.1 U17.34
~{FDC_WDATA}: J4.22 R52.2 U16.4
~{FDC_WGATE}: J4.24 R53.2 U16.10
~{FDC_WPRT}: J4.28 R57.1 U17.36
~{LWCS0}: R41.1 U10.41
~{LWCS1}: R42.1 U10.42
~{LWRD}: R43.1 U10.44
~{LWWR}: R44.1 U10.45
~{MCU_SD_CS}: U1.25 U9.38
~{MWR}: U1.67 U3.11
~{QSPI_CS}: R12.2 R13.2 U5.1 U9.56
~{RD}: U10.77 U17.4
~{RESET}: R30.1 U1.114 U10.1
~{SD_CS}: CON5.1 Q5.1 R34.1 U1.10
~{WCS0}: CON6.7 R41.2
~{WCS1}: CON6.32 R42.2
~{WRD}: CON6.34 R43.2
~{WRESET}: CON6.41 U10.46
~{WR}: U10.80 U17.2
~{WWR}: CON6.35 R44.2
Net-(BTN1-Pad1): BTN1.1 R13.1
Net-(C7-Pad1): C7.1 R16.1 Y1.3
Net-(C26-Pad2): C26.2 C31.2 R4.2
Net-(C29-Pad2): C29.2 C48.2 R5.2
Net-(C70-Pad1): C70.1 J5.T
Net-(C71-Pad1): C71.1 J6.T
Net-(C71-Pad2): C71.2 C73.2 R66.1
Net-(CON5-CARD_DETECT): CON5.10 R38.1
Net-(CON5-DAT1): CON5.8 R35.2
Net-(CON6-/PDIAG): CON6.46 R45.1
Net-(CON6-/REG): CON6.44 R39.2
Net-(CON6-/WE): CON6.36 R40.2
Net-(CON8-Pad9): CON8.9 R87.2
Net-(D4-K): D4.1 L1.1 U11.2
Net-(F1-Pad1): F1.1 J3.1
Net-(J7-CC1): J7.A5 R77.1
Net-(J7-CC2): J7.B5 R74.1
Net-(JP2-A): J3.4 JP2.1
Net-(JP2-B): F2.1 JP2.2 SW1.2
Net-(Q1-D): CON2.5 Q1.3 R24.1
Net-(Q2-D): CON2.1 Q2.3 R22.1
Net-(Q3-D): CON3.5 Q3.3 R25.1
Net-(Q4-D): CON3.1 Q4.3 R23.1
Net-(Q5-E): Q5.2 R36.1
Net-(R47-Pad2): R47.2 U15.9 U15.10 U15.11
Net-(SW1-A): CON4.1 SW1.1
Net-(U2-X1): U2.1 Y2.1
Net-(U2-X2): U2.2 Y2.2
Net-(U9-VREG_VOUT): C5.1 C8.1 C10.1 U9.23 U9.45 U9.50
Net-(U9-XIN): C6.1 U9.20 Y1.1
Net-(U9-XOUT): R16.2 U9.21
Net-(U10-INPUT/GCLK1): R32.1 U10.87
Net-(U10-INPUT/OE2/GCLK2): R31.1 U10.90
Net-(U13-VO): C58.1 C60.1 FB1.1 U13.2
Net-(U17-VDD): D8.3 U17.40
Net-(U18-ADC): R62.2 U18.2
Net-(U18-EN): R61.1 U18.3
Net-(U18-GPIO15): R69.2 U18.16
Net-(U20-+): R65.2 R67.2 R68.1 U20.2
Net-(U20--): C70.2 R64.1 R65.1 U20.3
Net-(U21-CAPM): C52.1 U21.4
Net-(U21-CAPP): C52.2 U21.2
Net-(U21-LDOO): C78.2 C79.2 U21.18
Net-(U21-OUTL): R4.1 U21.6
Net-(U21-OUTR): R5.1 U21.7
Net-(U21-VNEG): C75.2 C77.2 U21.5
Net-(U21-XSMT): R7.2 U21.17
Net-(X1-OUT): R11.1 X1.3

Pads without a net: CON2 2 6; CON3 2 6; CON5 9 11; CON6 24 25 26 33 37 40 42 43 S1 S2; CON7 RN TN; CON8 4 11 12 15; D9 2; J1 6 7 8; J4 2 4 6 14 34; J5 R1; J6 R1; J7 A8 B8; RN2 7 8; SW1 3; U2 7; U3 10 13 14 15 30 32 34 36 39 41 43; U9 39 40 41; U17 25; U18 4 5 6 9 10 11 12 13 14 17 19 20; U20 5 6; U22 1

## Via types
v1: diameter 0.8, hole 0.4, Top to Bottom, 621 vias

## Routing (per net, layer and track width the routed paths; a pad name or vN(x,y) marks a point on that pad's centre or on a via; arc(x,y) is an arc through that point)
+3.3VP: length 73.7
  Top w0.2: v1(88.86,60.53) 88.86,60.48 87.73,59.35 ; v1(89.3,58.77) 89.12,58.77 U9.42 87.99,58.22 87.34,57.57 ; 82.73,54.64 82.71,54.62 U9.10 80.23,54.62 v1(79.75,54.14) ; 85.37,49.02 85.37,50.25 85.58,50.46 85.58,51.12 85.33,51.37 U9.22 85.33,53.36 85.69,53.72 86.96,53.72 87.39,54.15 87.39,55.03 87.48,55.12 87.98,54.62 U9.33 89.96,54.62 90.39,54.19 v1(90.6,54.19) ; 87.33,58.25 87,57.91 ; 87.33,58.25 87.37,58.25 87.73,58.61 U9.43 ; 87.33,58.25 U9.44 ; U9.48 85.73,57.92 85.74,57.91 ; v1(71.81,44.51) 77.94,44.51 v1(78.05,44.4) ; U9.49 85.33,57.92 ; v1(92.5,67.92) 91.84,68.58 91.84,71.92 90.53,73.23 v1(90.53,73.84) ; 82.73,57.91 82.42,58.22 U9.1 80.93,58.22 v1(80.12,59.02)
  Top w0.35: U5.8 90.25,64.33 88.25,62.33 v1(87.97,62.33) ; 82.73,54.64 82.73,57.91 87,57.91 87.44,57.47 87.44,55.16 ; 90.25,65.67 v1(92.5,67.92)
  Bottom w0.2: C19.1 90.38,54.64 90.6,54.42 v1(90.6,54.19)
  Bottom w0.25: v1(87.97,62.33) 87.97,62.22 88.86,61.33 v1(88.86,60.53)
  Bottom w0.5: 85.55,44.43 C12.1 81.52,44.43 ; 85.2,48.68 87.1,46.78 87.1,44.98 86.52,44.4 C14.1 ; U7.2 81.01,44.39
  vias: v1(85.03,48.62)
+12V: length 52.5
  Top w1: C34.1 22.35,111.44 16.44,105.53 9.59,105.53
  Bottom w0.5: 22.77,117.48 36.05,117.48 46.57,128.01 49.59,128.01
  Bottom w1: 22.7,117.41 22.7,114.14 22.35,113.79 C34.1
/interfaces/VCC3_3_ESP: length 25
  Bottom w0.5: 14.74,45.47 14.74,42.67 15.99,41.43 U19.2 ; U19.2 U19.2 ; U19.2 22.1,38.86 ; v1(22.61,38.73) 22.48,38.86 22.1,38.86 ; 22.1,38.86 22.1,36.89 ; 22.54,36.45 22.54,33.51
  vias: v1(22.64,37.92)
GND: length 207.9
  Top w0.2: J7.S1 98.25,57.44 95.51,57.44 95.14,57.07 95.14,54.42 BTN2.2 ; U3.46 29.71,55.75 v1(29.44,55.48) 29.67,55.25 U3.47 ; v1(90.25,44.3) 89.34,45.21 U4.7 ; 57.73,81.72 57.73,83.12 v1(58.13,83.51) 59.35,82.29 61.39,82.29 61.94,81.74 61.94,81.74 63.25,80.43 v1(63.25,79.5) v1(64.01,78.74) v1(64.77,77.98) ; J7.S1 96.84,67.79 98.85,65.78 98.85,60.86 96.92,58.93 96.7,59.15 ; 86.44,71.9 86.2,71.9 v1(85.64,71.35) ; U9.19 84.13,54.62
  Top w0.25: U10.95 60.51,83.95 v1(60.87,83.58) ; U10.86 65.01,83.33 v1(65.02,83.31) ; U1.48 35.36,71.07 35.91,71.63 v1(36.32,71.63) ; 49.16,141.93 50.31,140.79 CON8.5 ; 35.56,24.64 36.32,24.64 36.32,26.86 ; 35.56,24.64 35.05,24.64 35.05,26.54 ; 35.56,24.64 35.62,24.7 CON6.39 ; v1(40.64,71.63) 39.86,70.85 U1.57 ; U1.118 42.86,92.64 v1(43.19,92.97) ; U3.26 31.62,65.75 v1(32.06,65.3) ; U1.140 31.86,90.47 31.52,90.13 v1(31.24,90.13) ; U1.97 45.19,84.02 ; v1(43.64,71.56) 43.35,71.56 42.86,71.07 U1.63 ; v1(47.83,72.7) 48.01,72.52 U1.74 ; U1.41 31.86,70.85 32.64,71.62 v1(33.02,71.62) ; U1.2 25.79,89.02 v1(25.69,88.92) ; U1.96 45.99,83.52 45.94,83.47 ; 58.03,71.75 58.03,72.46 58.27,72.7 58.75,72.7 58.76,72.69 58.77,72.7 58.98,72.7 59.94,73.66 60.73,73.66 60.96,73.89 ; U1.94 46.49,82.52 46.44,82.47 ; v1(71.27,114.67) 71.27,112.16 U16.7 ; U1.19 28.91,80.52 29.21,80.22 v1(29.21,78.99) ; 61.51,71.57 61.51,73.34 60.96,73.89 ; 60.96,73.89 60.96,75.27 v1(61.37,75.68) ; U17.37 57.66,123.7 57.66,129.29 J4.31 ; v1(29.46,76.3) 29.24,76.52 U1.27 ; v1(32.06,65.3) 31.51,64.75 U3.28 ; v1(32.06,65.3) 32.01,65.25 U3.27 ; 46.19,75.22 46.44,74.97 47.61,74.97 v1(47.87,75.24) 48.09,75.02 U1.79 ; U10.11 57.68,80.25 57.73,80.3 57.73,81.72 ; U1.22 29.18,79.02 v1(29.21,78.99) ; U21.3 33.66,126.39 v1(33.64,126.37) ; U1.21 28.68,79.52 v1(29.21,78.99) ; U10.59 66.58,77.25 v1(66.55,77.22) 65.53,77.22 v1(64.77,77.98) ; 64.01,71.57 64.01,74.11 63.6,74.52 63.6,75.54 v1(64,75.94) ; 66.51,71.57 66.51,74.89 v1(67.31,75.69) 69.31,75.69 70.75,74.25 U10.53 ; U10.65 68.11,80.25 v1(67.94,80.42) ; 40,141.93 44.58,141.93 ; v1(40.44,92.97) 40.36,92.89 U1.123 ; v1(32.58,24.13) 32.45,24.26 CON6.12 ; U10.78 69.01,85.26 v1(67.06,83.31) ; U1.95 46.54,83.02 ; U1.36 29.07,72.02 v1(29.46,71.63) ; U1.82 48.04,76.52 v1(47.79,76.77) ; v1(63.25,121.16) 64.26,120.14 64.26,118.42 65.24,117.44 65.24,115.82 63.77,114.35 v1(63.5,114.35) ; U10.74 68.49,84.75
  Top w0.5: 81.65,138.82 78.61,141.86
  Bottom w0.2: C18.2 89.41,56.68 91.39,54.7 91.39,53.3 90.65,52.56 C19.2
  Bottom w0.25: 58.93,122.94 60.71,121.16 v1(63.25,121.16) ; v1(71.27,114.67) 71.12,114.52 63.67,114.52 v1(63.5,114.35) ; 87.3,54.45 86.3,54.45 86.48,54.27 ; 67.05,138.55 66.77,138.82
  vias: v1(1.55,87.78) v1(1.55,86.77) v1(2.29,107.44) v1(2.57,87.78) v1(2.57,86.77) v1(3.3,107.44) v1(3.58,87.78) v1(3.58,86.77) v1(3.88,77.2) v1(4.32,107.44) v1(4.6,87.78) v1(4.6,86.77) v1(5.33,107.44) v1(5.61,87.78) v1(5.61,86.77) v1(6.01,79.36) v1(6.35,107.44) v1(6.63,87.78) v1(6.63,86.77) v1(7.49,35.69) v1(7.65,87.78) v1(7.65,86.77) v1(8.51,35.69) v1(9.52,35.69) v1(10.84,99.72) v1(11.84,99.72) v1(16.57,47.67) v1(16.57,46.58) v1(16.57,45.51) v1(16.54,44.42) v1(17.3,83.72) v1(17.42,62.42) v1(17.78,77.47) v1(17.78,76.45) v1(17.78,75.44) v1(17.78,74.42) v1(17.72,31.24) v1(18.04,141.07) v1(18.04,140.02) v1(18.04,138.87) v1(18.29,83.69) v1(18.29,81.79) v1(18.73,31.24) v1(18.87,65.67) v1(18.87,64.58) v1(18.87,63.51) v1(19.19,76.22) v1(19.69,31.34) v1(20.19,76.22) v1(20.83,44.58) v1(22.22,51.74) v1(22.2,50.77) v1(22.71,53.82) v1(23.44,88.72) v1(24.41,88.34) v1(25.4,103.89) v1(25.4,102.87) v1(25.4,97.03) v1(25.4,96.01) v1(26.42,102.87) v1(27.14,92.43) v1(27.69,91.69) v1(27.84,90.8) v1(28.19,24.26) v1(28.83,23.5) v1(31.63,89.31) v1(32.77,112.14) v1(32.79,103.99) v1(32.79,102.95) v1(33.1,118.54) v1(33.53,75.69) v1(33.77,50.07) v1(33.77,48.98) v1(33.77,47.91) v1(33.74,46.82) v1(33.81,103.99) v1(34.14,118.56) v1(36,29.72) v1(36.02,24.13) v1(36.44,78.05) v1(36.57,86.37) v1(36.94,23.62) v1(37.15,29.72) v1(37.34,87.38) v1(37.34,71.63) v1(37.59,85.27) v1(38.1,86.29) v1(38.61,85.27) v1(38.61,24.13) v1(39.37,87.38) v1(39.37,86.29) v1(39.62,77.47) v1(39.62,23.62) v1(40.64,136.14) v1(40.67,77.69) v1(40.64,23.62) v1(41.66,136.14) v1(41.69,78.71) v1(41.68,46.81) v1(41.71,50.06) v1(41.71,48.97) v1(41.71,47.9) v1(42.08,82.8) v1(42.08,82.04) v1(42.26,86.36) v1(42.49,110.41) v1(42.67,136.14) v1(43.18,23.62) v1(43.56,110.41) v1(43.69,136.14) v1(43.96,124.19) v1(43.94,75.69) v1(44.45,129.79) v1(44.63,110.41) v1(44.6,71.57) v1(44.96,124.21) v1(45.09,89.79) v1(45.11,109.4) v1(45.11,108.41) v1(45.11,107.42) v1(45.97,118.87) v1(47.24,96.98) v1(47.49,89.75) v1(47.75,87.25) v1(47.94,71.15) v1(48.26,96.98) v1(48.26,90.42) v1(49.51,99.56) v1(50.04,23.81) v1(50.04,22.86) v1(50.04,21.91) v1(50.14,98.99) v1(50.29,118.49) v1(50.29,117.47) v1(50.55,132.33) v1(50.55,131.32) v1(50.55,130.3) v1(50.8,98.3) v1(51.2,105.75) v1(51.31,110.74) v1(51.56,97.54) v1(52.37,92.66) v1(53.09,118.11) v1(53.09,117.09) v1(53.09,115.32) v1(53.09,113.54) v1(53.09,110.74) v1(54.46,62.7) v1(54.49,63.39) v1(54.67,99.14) v1(55.04,93.52) v1(55.12,117.09) v1(55.12,115.32) v1(55.12,113.54) v1(55.16,89.66) v1(55.37,121.16) v1(55.5,99.14) v1(55.84,60.02) v1(55.84,59.06) v1(56.26,98.42) v1(56.39,121.16) v1(56.46,87.61) v1(57.18,87.02) v1(60.47,38.81) v1(60.44,37.72) v1(61.58,65.77) v1(61.73,65.13) v1(62.99,83.31) v1(63.51,99.17) v1(63.51,97.13) v1(64.01,83.31) v1(66.04,83.37) v1(66.08,64.77) v1(66.08,63.75) v1(66.19,60.01) v1(66.19,58.99) v1(66.89,79.4) v1(67.47,28.77) v1(67.47,27.68) v1(67.47,26.61) v1(67.44,25.52) v1(68.41,65.75) v1(68.45,64.9) v1(71.36,104.13) v1(72.2,105.34) v1(75.44,113.03) v1(76.2,103.89) v1(76.45,113.03) v1(76.45,112.01) v1(76.71,119.38) v1(76.96,104.65) v1(77.72,105.41) v1(78.07,12.68) v1(78.07,11.61) v1(78.04,10.52) v1(78.35,13.49) v1(78.74,74.49) v1(78.74,73.47) v1(78.72,66.19) v1(78.72,65.52) v1(78.77,64.46) v1(79.57,83.31) v1(79.57,82.3) v1(79.57,81.28) v1(79.57,80.26) v1(79.76,74.49) v1(79.76,73.47) v1(80.52,102.23) v1(80.58,83.31) v1(80.58,82.3) v1(80.58,81.28) v1(80.58,80.26) v1(80.77,74.49) v1(80.77,73.47) v1(81.28,103) v1(81.61,61.17) v1(81.61,60.11) v1(81.79,74.49) v1(81.79,73.47) v1(82.04,103.76) v1(82.11,102.17) v1(82.87,104.46) v1(82.8,74.49) v1(82.8,73.47) v1(82.93,102.93) v1(83.08,53.54) v1(83.76,103.76) v1(83.69,94.71) v1(84.65,104.46) v1(84.69,94.71) v1(84.84,83.06) v1(84.84,82.04) v1(85.68,94.73) v1(89.03,48.62) v1(90.06,48.62) v1(93.57,49.37) v1(94.59,49.37) v1(96.01,51) v1(96.4,51.95) v1(99.07,130.57) v1(99.07,129.48) v1(99.07,128.41) v1(99.04,127.32) v1(99.27,86.47) v1(99.27,85.38) v1(99.27,84.31) v1(99.24,83.22) v1(100.34,54.41)
